# Altium PCB pcb.PcbDoc
Units mil, origin at the board's own origin, x right, y up, seen from the top; angles counter-clockwise.
Board outline 1929.13 x 1456.69 mil, 2 copper layers (Top Layer, Bottom Layer), stack 62.205 mil thick; 70 components, 62 nets, 224 pads, 37 vias.
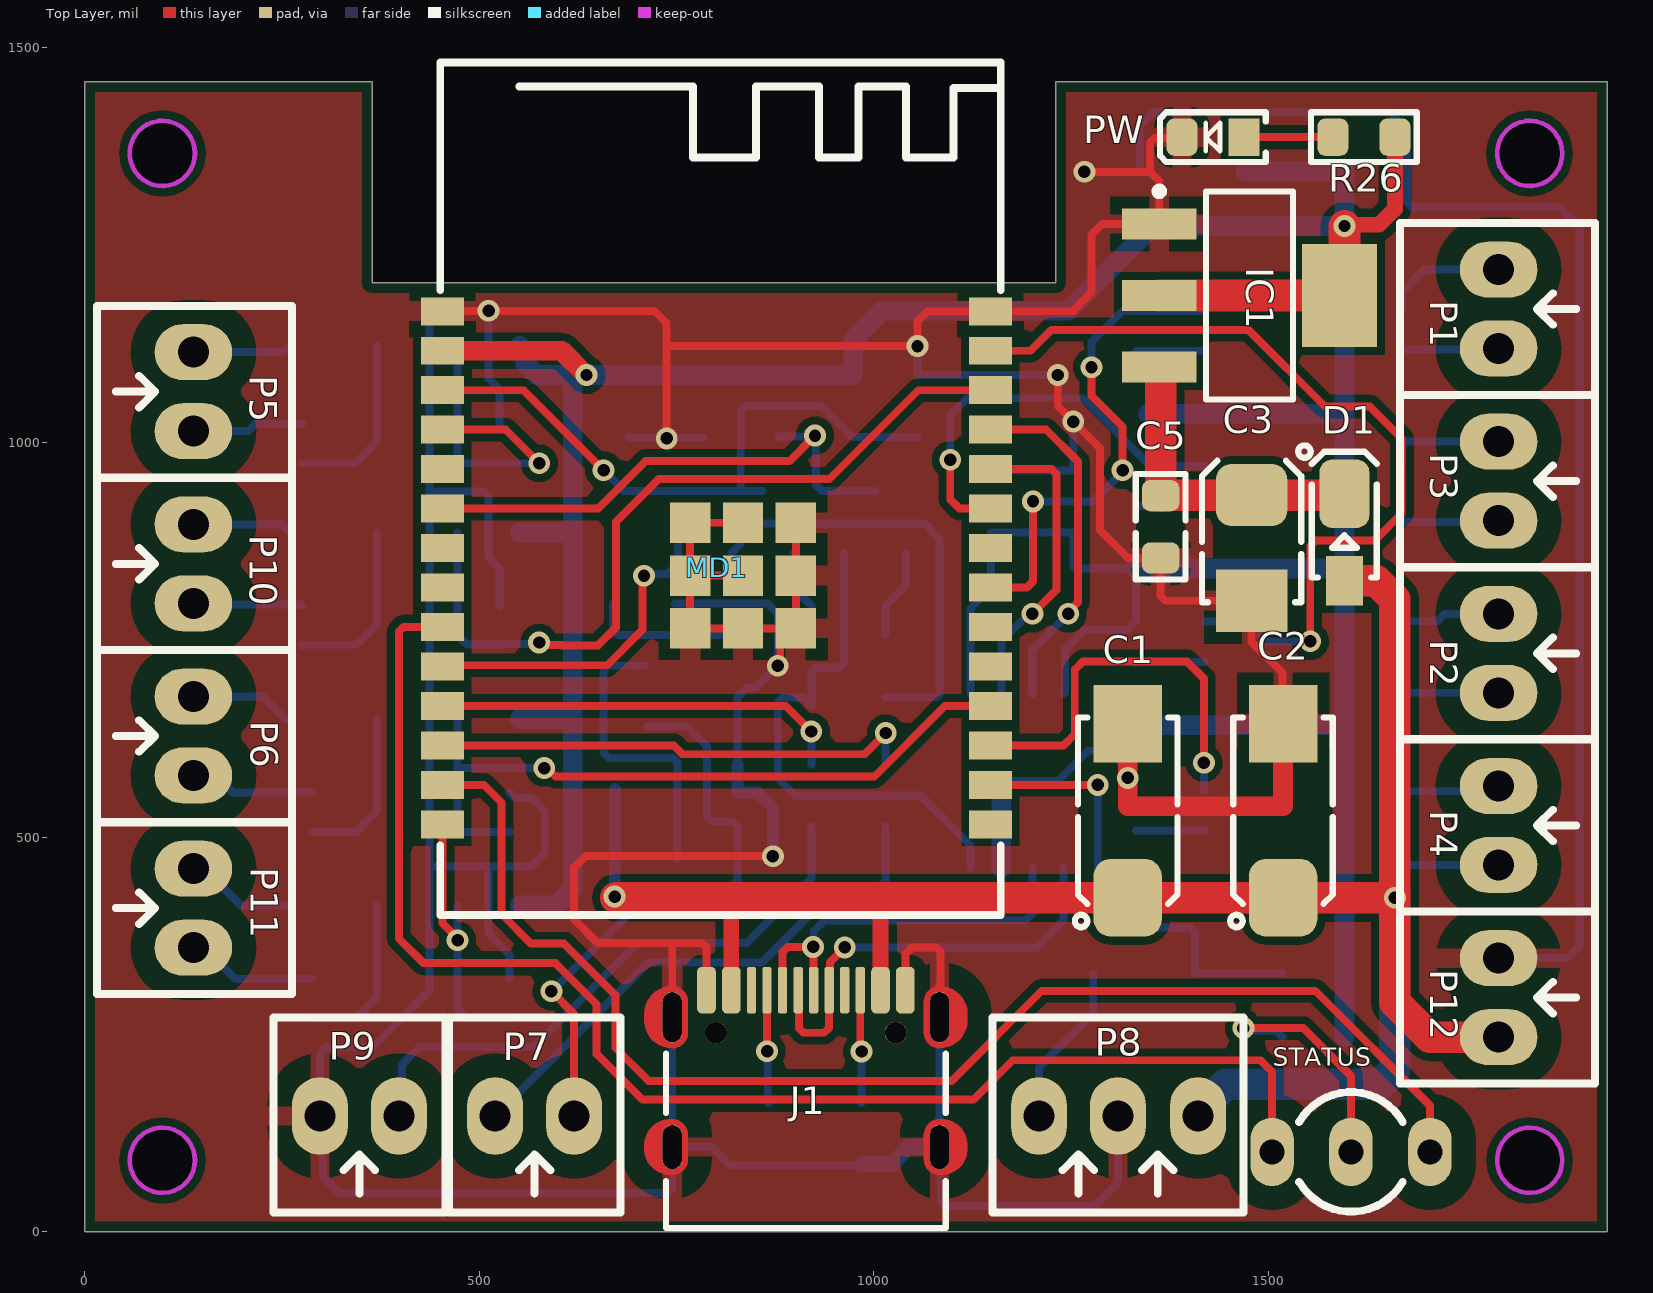
[diagram p0: Top Layer view]
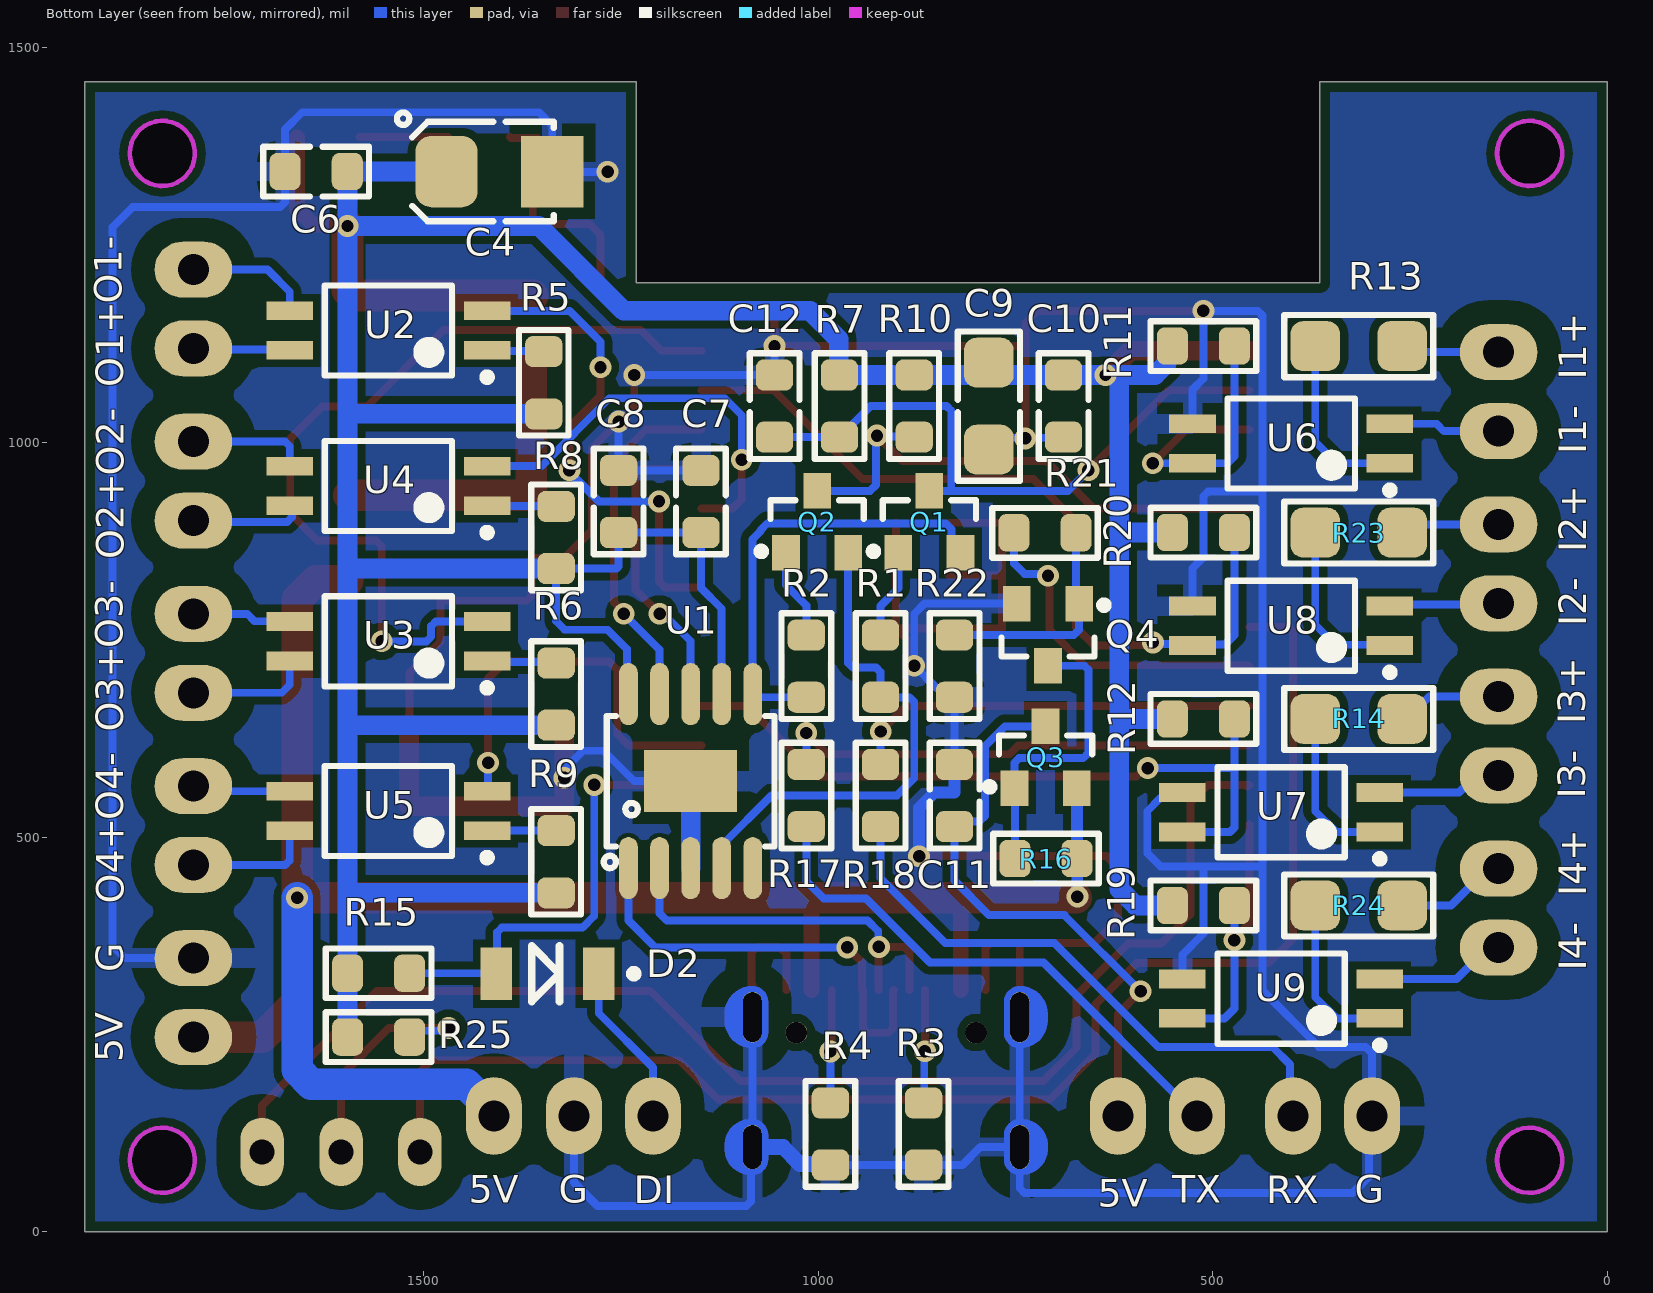
[diagram p1: Bottom Layer view, seen from below]
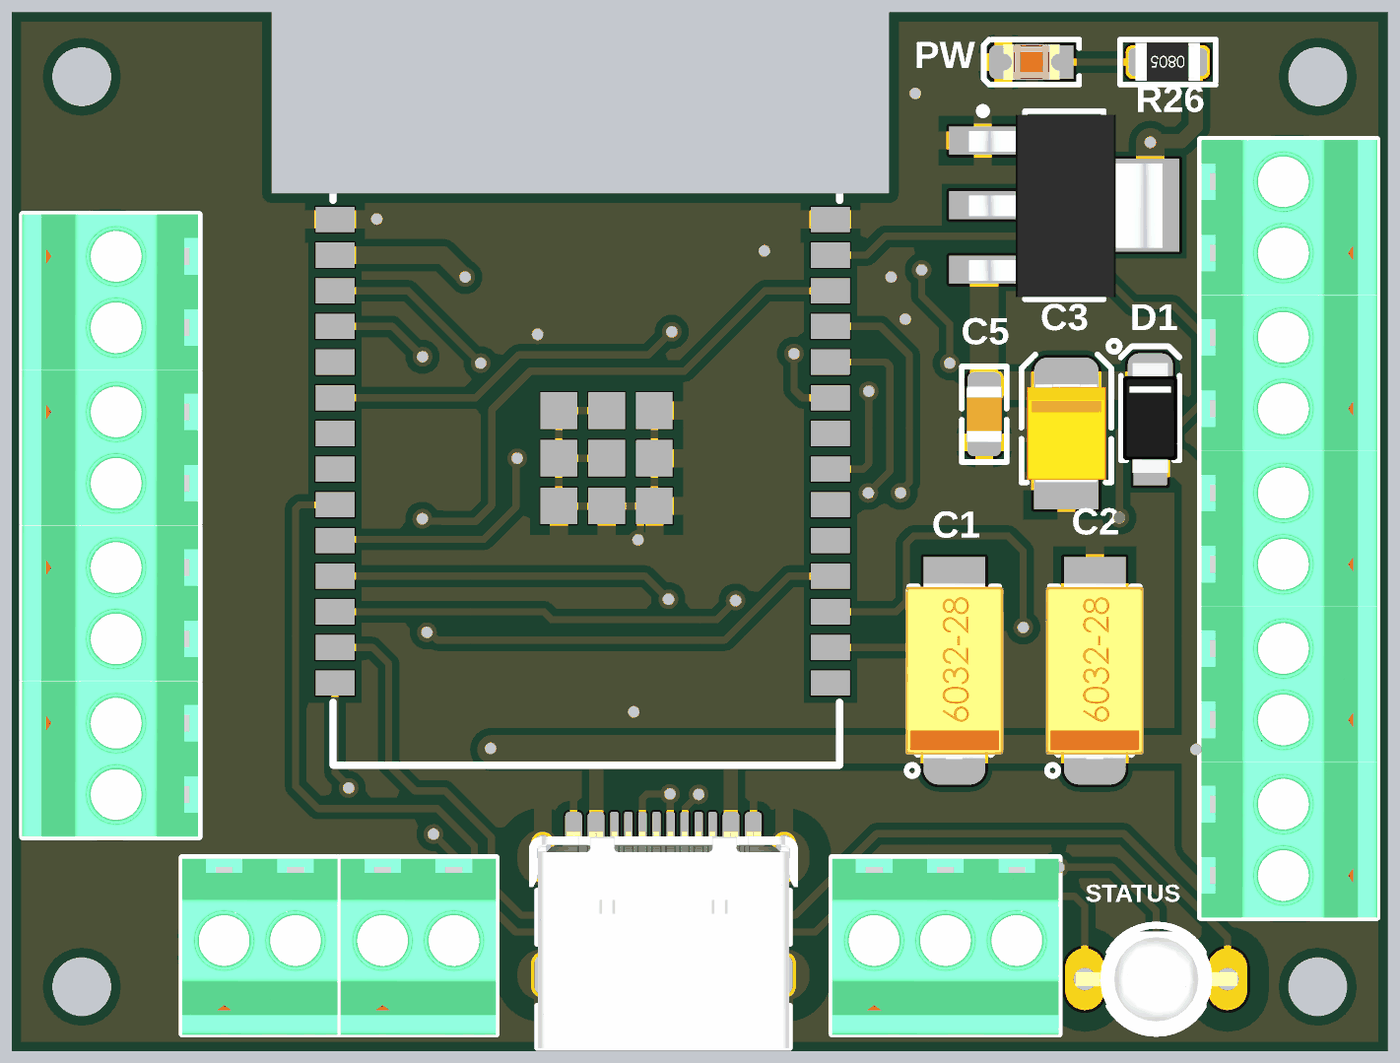
[diagram p2: 3D render of the assembled board from above, using the file's embedded part models]
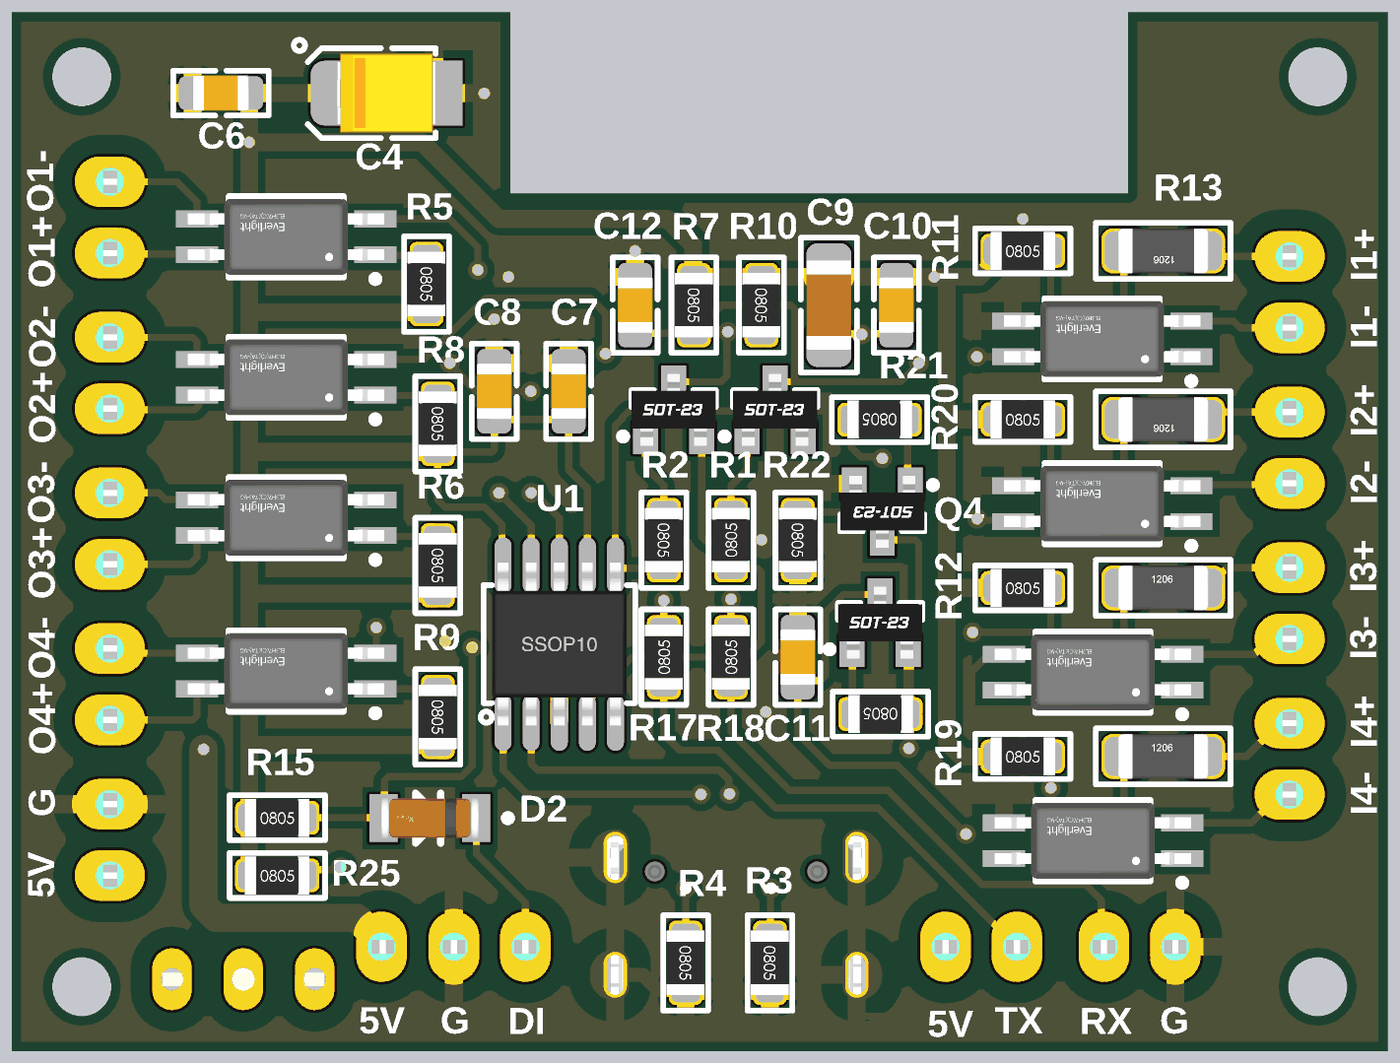
[diagram p3: 3D render of the assembled board from below, using the file's embedded part models]

## Layer stack, top to bottom
Top Solder: solder mask 0.3937, Solder Resist, Dk 3.5
Top Layer: signal copper 1.378
Dielectric 1: dielectric 59.4488, FR-4, Dk 4.8
Bottom Layer: signal copper 1.378
Bottom Solder: solder mask 0.3937, Solder Resist, Dk 3.5

## Board outline
0,0 0,1456.69 364.19,1456.69 364.19,1202.35 1230.32,1202.35 1230.32,1456.69 1929.13,1456.69 1929.13,0
cut-out: 1789.37,1366.14 ccw(c1830.71,1366.14) 1830.71,1324.8 ccw(c1830.71,1366.14) 1872.05,1366.14 ccw(c1830.71,1366.14) 1830.71,1407.48 ccw(c1830.71,1366.14)
cut-out: 1830.71,131.89 ccw(c1830.71,90.55) 1789.37,90.55 ccw(c1830.71,90.55) 1830.71,49.21 ccw(c1830.71,90.55) 1872.05,90.55 ccw(c1830.71,90.55)
cut-out: 139.76,90.55 ccw(c98.43,90.55) 98.43,131.89 ccw(c98.43,90.55) 57.09,90.55 ccw(c98.43,90.55) 98.43,49.21 ccw(c98.43,90.55)
cut-out: 98.43,1324.8 ccw(c98.43,1366.14) 139.76,1366.14 ccw(c98.43,1366.14) 98.43,1407.48 ccw(c98.43,1366.14) 57.09,1366.14 ccw(c98.43,1366.14)

## Design rules (kind name [scope] priority, off if disabled: settings)
Clearance Q4 [InNet('NetQ4_1')] p1: gap=10 ignorepadtopadclearanceinfootprint=FALSE
Clearance J1 [InNetClass('USB')] p2: gap=10 ignorepadtopadclearanceinfootprint=FALSE except(0: Arc-Hole Track-Hole SMDPad-Hole THPad-Hole Via-Hole Fill-Hole Poly-Hole Region-Hole Text-Hole; 5: Arc-Arc Arc-Track Arc-SMDPad Arc-THPad Track-Track Track-SMDPad Track-THPad SMDPad-SMDPad SMDPad-THPad SMDPad-Fill SMDPad-Poly SMDPad-Region)
Clearance Q2 [InNet('NetQ2_1')] p3: gap=10 ignorepadtopadclearanceinfootprint=FALSE
Clearance Q1 [InNet('NetQ1_1')] p4: gap=10 ignorepadtopadclearanceinfootprint=FALSE
Clearance [All] p5: gap=10 ignorepadtopadclearanceinfootprint=FALSE except(5: Arc-Track Arc-SMDPad Track-Track Track-SMDPad SMDPad-SMDPad; 20: Poly-Poly; 30: THPad-Poly)
Height [All] p1: minheight=0 maxheight=1574.8 prefheight=500
HoleSize [All] p1: absolutevalues=TRUE maxlimit=236.22 minlimit=3.94 maxpercent=80.000 minpercent=20.000
MinimumSolderMaskSliver [All] p1: minsoldermaskwidth=1
PlaneConnect [All] p1: planeconnectstyle=Relief reliefexpansion=20 reliefentries=4 reliefconductorwidth=35 reliefairgap=10
PolygonConnect [All] p1: thpad.connectstyle=Relief thpad.reliefconductorwidth=25 thpad.reliefentries=4 thpad.polygonreliefangle="90 Angle" thpad.airgapwidth=30 smdpad.connectstyle=Relief smdpad.reliefconductorwidth=25 smdpad.reliefentries=4 smdpad.polygonreliefangle="90 Angle" smdpad.airgapwidth=15 via.connectstyle=Relief via.reliefconductorwidth=25 via.reliefentries=4 via.polygonreliefangle="90 Angle" via.airgapwidth=15
RoutingVias [All] p1: holewidth=15.75 width=27.56 viastyle="Through Hole" minholewidth=11.81 minwidth=23.62 maxholewidth=39.37 maxwidth=98.43
SilkToSilkClearance [All] p1: silktosilkclearance=1
SilkToSolderMaskClearance [IsPad] p1: minsilkscreentomaskgap=0 clearancetoexposedcopper=TRUE
SolderMaskExpansion [All] p1: expansion=4 istentingtop=FALSE
SupplyNets "Schematic Supply Nets_9" [InNet('+3V3')] p1: voltage=0.000
SupplyNets "Schematic Supply Nets_7" [InNet('+5V_OUT')] p2: voltage=0.000
SupplyNets "Schematic Supply Nets_6" [InNet('GND')] p3: voltage=0.000
SupplyNets "Schematic Supply Nets_4" [InNet('+5V')] p4: voltage=0.000
UnRoutedNet [All] p1: checkbadconnections=TRUE
Width [All] p1: maxlimit=100 minlimit=10 preferedwidth=50
23 further rules are at their usual default settings.

## Classes and differential pairs
net class USB: CC1 CC2 D_N D_P

## Components (designator, comment, footprint, x,y, rotation, side; value= is the part's Value field where it differs from the comment)
C1 "220uF/10V" C_tantalum_6032-2312 1321.43,533.47 r90 top
C2 "220uF/10V" C_tantalum_6032-2312 1518.28,533.47 r90 top
C3 "100uF" C_TANTALUM_3528_1210 1478.41,866.35 r270 top
C4 "100uF" C_TANTALUM_3528_1210 1403.61,1343.18 r180 bottom
C5 "104" C_0805_SMD 1363.23,893.1 r90 top
C6 "104" C_0805_SMD 1635.83,1343.18 r180 bottom
C7 "104" C_0805_SMD 1148.29,925.26 r270 bottom
C8 "10uF/25V" C_0805_SMD 1252.59,925.26 r270 bottom
C9 "10uF" C1206 783.56,1046.05 r90 bottom
C10 "104" C_0805_SMD 688.98,1046.05 r90 bottom
C11 "10uF/25V" C_0805_SMD 827.09,552.59 r270 bottom
C12 "104" C_0805_SMD 1055.12,1046.05 r270 bottom
D1 "DSK34" D_SOD123W 1596.07,887.8 r90 top
D2 "LL4148" SOD80C_MFG 1342.73,326.88 r0 bottom
IC1 "AMS1117" SOT223-4N 1475.62,1186.15 r0 top
J1 "USB C 3.1" "USBC_SMD_16_USB4105 PAD L" 913.75,206.69 r180 top
MD1 "ESP32-C5-WROOM-1_C42441836" COMM-SMD_37P-P1.27-L27.5-W18.0-ESP32-C5-WROOM-1 800.59,941.14 r0 top
P1 "DG308 2P" "DG308 KF120 2.54mm 2P - duplicate" 1791.34,1169.02 r90 top
P2 "DG308 2P" "DG308 KF120 2.54mm 2P - duplicate" 1791.34,732.8 r90 top
P3 "DG308 2P" "DG308 KF120 2.54mm 2P - duplicate" 1791.34,950.91 r90 top
P4 "DG308 2P" "DG308 KF120 2.54mm 2P - duplicate" 1791.34,514.69 r90 top
P5 "DG308 2P" "DG308 KF120 2.54mm 2P - duplicate" 137.8,1064.3 r270 top
P6 "DG308 2P" "DG308 KF120 2.54mm 2P - duplicate" 137.8,628.07 r270 top
P7 "DG308 2P" "DG308 KF120 2.54mm 2P - duplicate" 570.08,146.65 r0 top
P8 "DG308" "DG308 KF120 2.54mm 3P" 1209.06,146.65 r0 top
P9 "DG308 2P" "DG308 KF120 2.54mm 2P - duplicate" 348.03,146.65 r0 top
P10 "DG308 2P" "DG308 KF120 2.54mm 2P - duplicate" 137.8,846.19 r270 top
P11 "DG308 2P" "DG308 KF120 2.54mm 2P - duplicate" 137.8,409.96 r270 top
P12 "DG308 2P" "DG308 KF120 2.54mm 2P - duplicate" 1791.34,296.58 r90 top
PW "LED RED" "LED 0805 Red" 1429.47,1386.72 r180 top
Q1 "S8050" "SOT23_N NXP" 858.88,899.29 r90 bottom
Q2 "S8050" "SOT23_N NXP" 1001.16,899.29 r90 bottom
Q3 "Si2301DS" "SOT23_N NXP" 711.76,600.96 r90 bottom
Q4 "S8050" "SOT23_N NXP" 708.66,756.41 r270 bottom
R1 "10K" RES-SMD-0805 920.81,716.56 r90 bottom
R2 "10K" RES-SMD-0805 1014.85,716.56 r270 bottom
R3 "5.1K" RES-SMD-0805 866.25,123.98 r270 bottom
R4 "5.1K" RES-SMD-0805 984.36,123.98 r270 bottom
R5 "220R" RES-SMD-0805 1347.49,1075.58 r270 bottom
R6 "220R" RES-SMD-0805 1331.74,681.1 r270 bottom
R7 "10K" RES-SMD-0805 972.72,1046.05 r270 bottom
R8 "220R" RES-SMD-0805 1331.74,879.61 r270 bottom
R9 "220R" RES-SMD-0805 1331.74,468.74 r270 bottom
R10 "10K" RES-SMD-0805 878.14,1046.05 r270 bottom
R11 "10K" RES-SMD-0805 511.81,1122.05 r180 bottom
R12 "10K" RES-SMD-0805 511.81,649.61 r180 bottom
R13 "4.7K" RES-SMD-1206 314.96,1122.05 r0 bottom
R14 "4.7K" RES-SMD-1206 314.96,649.61 r180 bottom
R15 "4.7K" RES-SMD-0805 1556.7,327.48 r180 bottom
R16 "100K" RES-SMD-0805 711.22,472.79 r0 bottom
R17 "470R" RES-SMD-0805 1014.85,552.59 r90 bottom
R18 "470R" RES-SMD-0805 920.82,552.59 r90 bottom
R19 "10K" RES-SMD-0805 511.81,413.39 r180 bottom
R20 "10K" RES-SMD-0805 511.81,885.83 r180 bottom
R21 "1k" RES-SMD-0805 712.45,885.51 r0 bottom
R22 "10K" RES-SMD-0805 827.09,716.56 r270 bottom
R23 "4.7K" RES-SMD-1206 314.96,885.83 r0 bottom
R24 "4.7K" RES-SMD-1206 314.96,413.39 r180 bottom
R25 "1k" RES-SMD-0805 1556.7,246.58 r180 bottom
R26 "1k" RES-SMD-0805 1620.64,1386.72 r180 top
STATUS "Led R-G" Led_3mm_3_Pin_CA 1604.33,101.16 r0 top
U1 "CH340K" "SSOP10 / ESSOP-10" 1161.42,570.87 r90 bottom
U2 "EL3H7" SO_4-EL3H7-G_MFG 1544.27,1141.73 r0 bottom
U3 "EL3H7" SO_4-EL3H7-G_MFG 1544.27,748.03 r0 bottom
U4 "EL3H7" SO_4-EL3H7-G_MFG 1544.27,944.88 r0 bottom
U5 "EL3H7" SO_4-EL3H7-G_MFG 1544.27,533.1 r0 bottom
U6 "EL3H7" SO_4-EL3H7-G_MFG 400.59,998.62 r0 bottom
U7 "EL3H7" SO_4-EL3H7-G_MFG 413.39,531.5 r0 bottom
U8 "EL3H7" SO_4-EL3H7-G_MFG 400.59,767.72 r0 bottom
U9 "EL3H7" SO_4-EL3H7-G_MFG 413.39,295.28 r0 bottom
